# Allegro board FRDM-A-S32K356_PCBLayout.brd (continued)
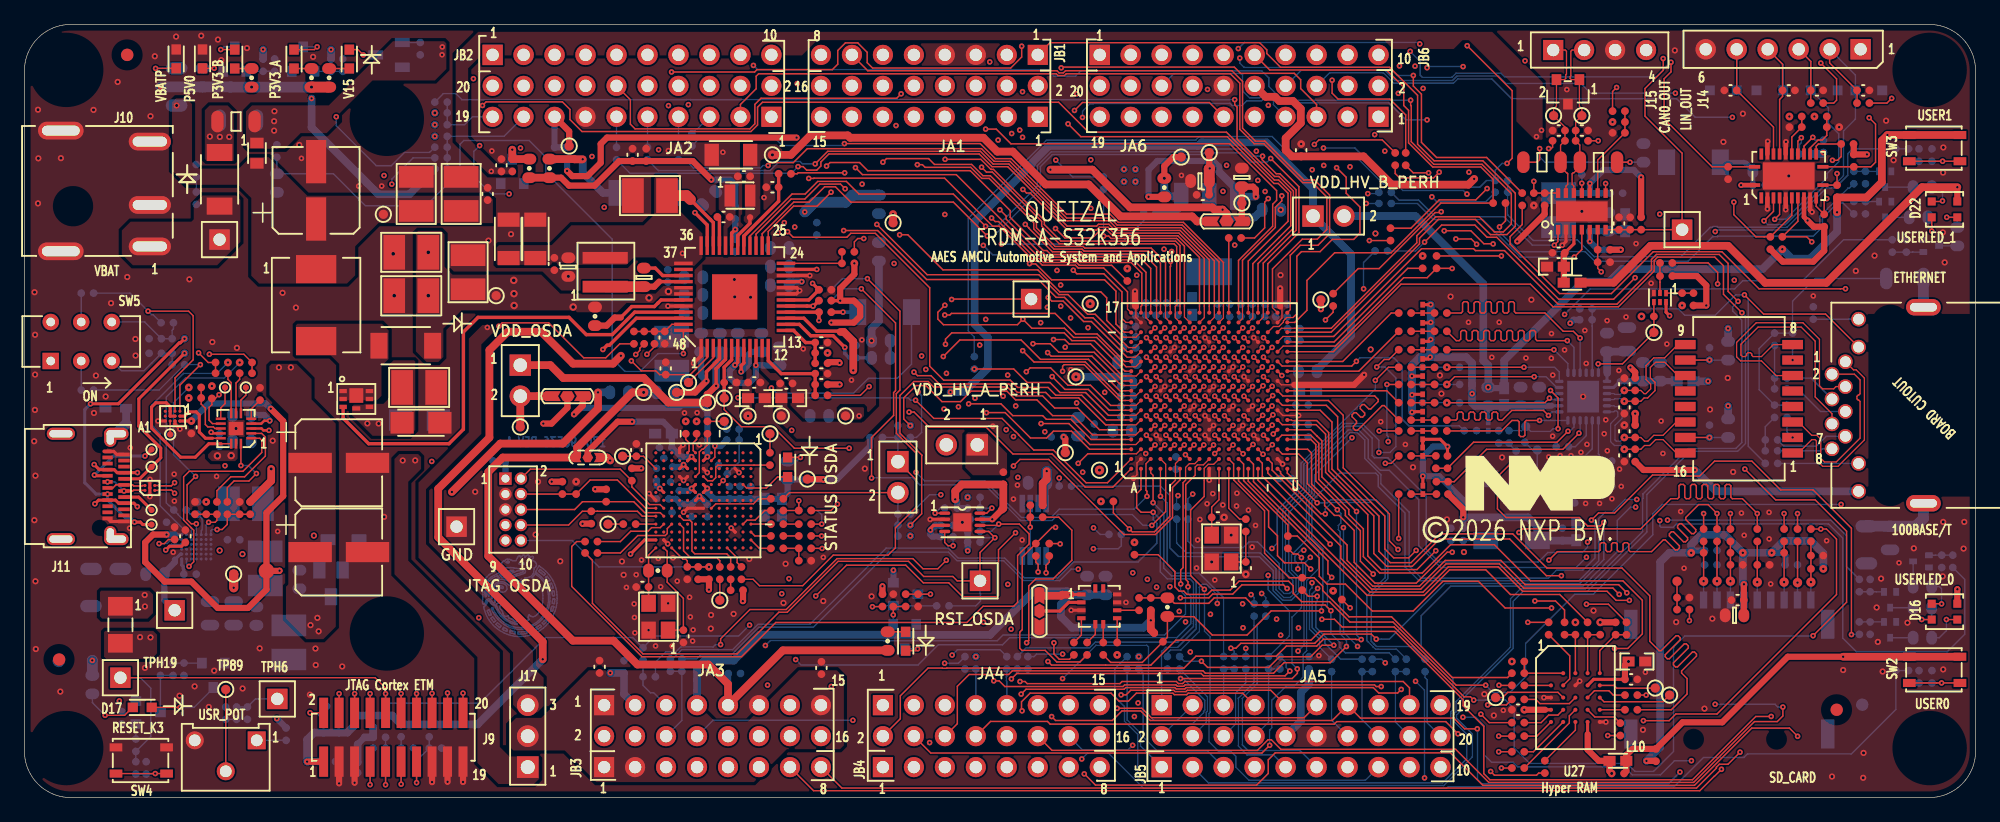
[diagram p0: board, top side]
## Routing (per net, layer and track width the routed paths; a pad name or vN(x,y) marks a point on that pad's centre or on a via; arc(x,y) is an arc through that point) (continued)
PTF0: length 57.9
  TOP w0.102: U2.A6 90.3,30.98
  TOP w0.118: v1(62.58,46.42) 63.04,45.96 67.44,45.96 67.77,46.29 69.77,46.29 74.23,41.82 74.23,35.39 75.38,34.24 80.84,34.24 81.44,33.65 83.93,33.65 84.57,33.01 86.7,33.01 88.73,30.98 90.3,30.98
  L3_INT_1 w0.127: v1(62.58,46.42) 62.73,46.57 62.73,47.39 62.49,47.63 58.41,47.63 58.38,47.66 58.27,47.66 53.73,52.19 53.73,53.51 52.11,55.13 52.11,57.37 JA2.10
PTF1: length 72.2
  TOP w0.102: U2.B6 91.15,30.57 90.3,30.57
  TOP w0.118: JA2.12 49.69,57.25 49.69,55.24 50.07,54.86 59.49,54.86 59.9,55.27 59.9,56.86 60.4,57.36 71.53,57.36 v1(71.89,57.73) ; v1(72.94,34.9) 73.24,34.61 74.34,34.61 75.02,33.93 80.73,33.93 81.42,33.24 83.74,33.24 84.19,32.79 86.45,32.79 88.66,30.57 90.3,30.57
  L3_INT_1 w0.127: v1(72.94,34.9) 72.94,36.2 73.25,36.5 73.25,50.07 71.89,51.42 71.89,57.17 71.89,57.17 v1(71.89,57.73)
PTF2: length 72.1
  TOP w0.127: U2.C6 v1(92,31.33)
  L3_INT_1 w0.127: v1(40.68,53.28) 43.35,53.28 44.65,54.58 44.65,57.02 JA2.14
  L4_INT_2 w0.102: v1(92,31.33) 90.3,31.33
  L4_INT_2 w0.127: v1(40.68,53.28) 40.04,52.65 40.04,51.69 48.37,43.36 54.03,43.36 65.19,32.2 73.73,32.2 74.54,31.39 77.39,31.39 77.95,31.94 80.05,31.94 80.67,31.33 90.3,31.33
PTF3: length 84.6
  TOP w0.127: U2.D6 v1(92.8,31.33)
  L4_INT_2 w0.102: v1(92.8,31.33) 92.68,31.33 92.19,30.84 91.2,30.84 91.02,31.02 90.3,31.02
  L4_INT_2 w0.127: 90.3,31.02 72.67,31.02 72.48,30.84 66.23,30.84 53.97,43.09 47.89,43.09 39.63,51.35 39.63,58.96 39.07,59.52 37.63,59.52 36.8,60.35 36.8,61.49 37.62,62.31 41.69,62.31 42.25,61.74 42.25,59.6 JA2.16
PTF4: length 45.6
  TOP w0.127: U2.C7 v1(92.71,32.13)
  L3_INT_1 w0.127: v1(81.28,32.13) 80.9,32.51 80.9,33.2 80.21,33.89 80.21,42.72 81.65,44.16 81.65,47.19 81.92,47.46 82.47,47.46 84.04,45.89 84.67,45.89 85.27,46.48 85.27,52.33 84.52,53.08 84.52,56.37 83.1,57.79 JA1.2
  L4_INT_2 w0.102: v1(92.71,32.13) 90.46,32.13 90.3,31.97
  L4_INT_2 w0.127: 90.3,31.97 90.29,31.95 81.88,31.95 81.7,32.13 v1(81.28,32.13)
PTF5: length 40.1
  TOP w0.127: U2.C8 v1(92,32.93)
  L3_INT_1 w0.127: JA1.4 80.56,58.08 81.83,56.81 81.83,55.53 82.55,54.81 82.55,48.84 80.95,47.24 80.95,44.74 79.7,43.49 79.7,38.3 79.72,38.28 79.72,33.46 v1(80.25,32.93)
  L4_INT_2 w0.102: 90.3,32.93 v1(92,32.93)
  L4_INT_2 w0.127: v1(80.25,32.93) 80.67,32.93 80.76,33.02 87.69,33.02 87.85,32.86 90.24,32.86 90.3,32.93
PTF6: length 43.9
  TOP w0.127: U2.D7 v1(93.51,32.13)
  L3_INT_1 w0.127: JA1.6 79.01,57.38 79.01,55.28 79.4,54.89 79.4,48.94 77.53,47.06 77.53,33.2 77.95,32.78 v1(77.95,32.77)
  L4_INT_2 w0.102: 90.3,31.64 91.74,31.64 91.82,31.72 93.1,31.72 v1(93.51,32.13)
  L4_INT_2 w0.127: v1(77.95,32.77) 78.54,32.18 80.18,32.18 80.72,31.64 90.3,31.64
PTF7: length 45.7
  TOP w0.127: U2.C9 v1(92.71,33.73)
  L3_INT_1 w0.127: JA1.8 77.03,56.83 77.03,48.16 76.39,47.53 76.39,39.25 76.92,38.72 76.92,33.86 76.74,33.67 76.74,32.62 76.59,32.48 v1(76.59,32.06)
  L4_INT_2 w0.102: v1(92.71,33.73) 92.38,33.4 90.3,33.4
  L4_INT_2 w0.127: v1(76.59,32.06) 76.59,32.87 77.36,33.64 78.31,33.64 78.48,33.47 79.88,33.47 79.88,33.48 81.94,33.48 88.22,33.48 88.41,33.66 89.89,33.66 90.15,33.4 90.3,33.4
PTF8: length 45
  TOP w0.127: U2.D10 v1(92.8,34.53)
  L3_INT_1 w0.127: v1(73.91,35.12) 74.27,35.48 74.27,39.28 73.93,39.63 73.93,56.25 73.91,56.27 73.91,57.41 JA1.10
  L4_INT_2 w0.102: v1(92.8,34.53) 92.54,34.53 91.91,33.9 90.3,33.9
  L4_INT_2 w0.127: 90.3,33.9 90.07,34.13 81.74,34.13 80.8,35.08 80.16,35.08 79.54,34.45 77.3,34.45 76.28,35.47 74.91,35.47 74.79,35.59 74.38,35.59 v1(73.91,35.12)
PTF9: length 38.3
  TOP w0.102: U2.B15 91.14,37.76 90.3,37.76
  TOP w0.118: v1(71.77,46.17) 72.44,46.17 75.32,43.29 83.1,43.29 84.9,41.49 88.26,41.49 88.75,41 88.75,39.15 90.13,37.76 90.3,37.76
  L3_INT_1 w0.127: JA1.12 70.4,58.06 69.27,56.93 69.27,53.83 69.76,53.34 69.76,48.12 71.71,46.17 v1(71.77,46.17)
PTF10: length 82.6
  TOP w0.102: U2.B17 91.56,40.29
  TOP w0.118: 91.56,40.29 91.62,40.36 91.62,43.02 90.75,43.89 86.58,43.89 86.36,44.11 83.65,44.11 83.33,44.43 83.08,44.43 76.41,51.1 68.72,51.1 v1(68.15,51.68)
  L3_INT_1 w0.127: JB4.1 68.8,4.1 68.8,16.84 70.2,18.23 70.2,28.41 71.25,29.47 71.25,42.32 67.97,45.61 67.97,48.32 68.15,48.5 v1(68.15,51.68)
PTF11: length 73.3
  TOP w0.127: U2.H11 v1(96.71,35.33)
  L3_INT_1 w0.127: v1(71.31,43.81) 71.73,43.4 71.73,29.15 70.64,28.06 70.64,18.06 70.99,17.71 70.99,16.85 70.6,16.46 70.6,13.89 71.58,12.91 71.58,3.98 72.94,2.63 JB4.2
  L4_INT_2 w0.102: 90.3,38.01 90.43,38.01 90.62,38.2 92,38.2 92.33,37.86 92.33,37.59 92.58,37.35 94.51,37.35 94.69,37.17 94.69,36.88 94.97,36.6 95.27,36.6 95.58,36.29 95.58,36.01 95.88,35.71 96.33,35.71 v1(96.71,35.33)
  L4_INT_2 w0.127: v1(71.31,43.81) 73.57,43.81 75.49,41.89 78.28,41.89 80.54,39.63 82.25,39.63 82.26,39.65 84.13,39.65 84.31,39.47 84.32,39.47 84.67,39.12 85.42,39.12 85.61,38.93 86.43,38.93 86.47,38.89 86.96,38.89 87.04,38.97 87.44,38.97 88.16,38.25 88.17,38.25 88.41,38.01 90.3,38.01
PTF12: length 98.7
  TOP w0.127: U2.E15 v1(94.31,38.53)
  L3_INT_1 w0.102: v1(94.31,38.53) 94.31,40.29
  L3_INT_1 w0.127: v1(68.69,50.32) 68.69,47.11 72.2,43.6 72.2,33.76 71.97,33.53 71.97,29.79 72.44,29.32 72.44,24.26 71.21,23.02 71.21,19.76 72.1,18.87 72.1,11.43 73.89,9.63 73.89,4.83 73.77,4.71 73.77,3.19 74.46,2.5 JB4.3 ; v1(98.28,49.73) 97.88,50.13 97.25,50.13 94.62,47.5 94.62,44.19 94.31,43.87 94.31,40.29
  L4_INT_2 w0.127: v1(68.69,50.32) 69.11,50.32 69.2,50.41 76.05,50.41 76.82,51.18 80.04,51.18 80.71,51.85 84.27,51.85 84.63,51.49 87.55,51.49 88.17,52.11 95.02,52.11 97.41,49.73 v1(98.28,49.73)
PTF13: length 62.8
  TOP w0.127: U2.E14 v1(93.6,37.73)
  L3_INT_1 w0.102: 90.3,27.87 90.33,27.85 90.33,26.17 90.3,26.15
  L3_INT_1 w0.127: 90.3,26.15 90.29,26.13 90.29,25.93 90.33,25.88 90.33,22.68 89.96,22.3 89.96,18.64 91.53,17.07 91.53,13.8 92.32,13.01 92.32,11.39 91.08,10.15 91.08,8.61 90.34,7.87 90.34,5.46 90.12,5.25 90.12,2.74 88.74,1.35 79.17,1.35 JB4.4 ; 90.3,27.87 87.25,30.93 87.25,36.51 85.79,37.97 v1(85.79,39.34)
  L4_INT_2 w0.102: v1(93.6,37.73) 93.13,38.2 92.57,38.2 92.33,38.44 90.3,38.44
  L4_INT_2 w0.127: v1(85.79,39.34) 88.04,39.34 88.65,38.73 88.65,38.63 88.85,38.44 90.3,38.44
PTF14: length 95.4
  TOP w0.127: U2.F15 v1(95.11,38.53)
  L3_INT_1 w0.102: 95.11,40.29 v1(95.11,38.53)
  L3_INT_1 w0.127: JB4.5 80.56,3.52 79.3,4.77 79.3,8.51 80.2,9.41 80.2,18.04 78.52,19.72 78.52,22.78 76.93,24.37 76.93,25.13 79.31,27.52 79.31,29.28 78.47,30.13 78.47,33 78.43,33.03 78.43,35.42 77.75,36.1 77.75,46.97 79.84,49.05 v1(79.84,53.94) ; v1(101.02,53.03) 101.02,52.61 101.01,52.59 101.01,51.6 99.65,50.25 99.65,48.56 95.11,44.02 95.11,40.29
  L4_INT_2 w0.127: v1(101.02,53.03) 100.6,53.03 100.55,53.07 100.54,53.07 100.47,53.14 100.29,53.14 99.73,53.7 83.65,53.7 83.44,53.48 80.3,53.48 v1(79.84,53.94)
PTF15: length 53.6
  TOP w0.127: U2.F14 v1(94.4,37.73)
  L3_INT_1 w0.127: JB4.6 83.1,3.02 84.76,4.69 84.76,7.05 84.65,7.17 84.65,12.18 85.83,13.36 85.83,14.5 85.07,15.25 85.07,19.44 85.95,20.32 85.95,27.89 84.72,29.12 84.72,30.43 84.54,30.6 84.54,32.7 83.17,34.08 83.17,34.08 83.08,34.17 83.08,36.27 83.73,36.92 83.73,37.91 83.88,38.06 v1(83.88,40.22)
  L4_INT_2 w0.102: v1(94.4,37.73) 94.4,37.77 93.98,38.2 93.98,38.71 93.73,38.95 90.3,38.95
  L4_INT_2 w0.127: v1(83.88,40.22) 84.4,39.7 85.55,39.7 85.61,39.76 85.96,39.76 86.03,39.7 86.75,39.7 86.86,39.59 89.67,39.59 90.3,38.95
PTF16: length 56.4
  TOP w0.127: U2.G15 v1(95.91,38.53)
  L3_INT_1 w0.127: v1(84.97,42.05) 84.47,41.55 84.47,38.28 83.97,37.78 83.97,37.22 84.38,36.8 84.38,36.01 83.63,35.26 83.63,34.27 85,32.89 85,30.86 87.43,28.43 87.43,22.85 87.24,22.66 87.24,19.66 87.39,19.51 87.39,12.79 87.24,12.63 87.24,12.2 86.73,11.69 86.73,4.7 85.64,3.61 JB4.7
  L4_INT_2 w0.102: 95.12,40.29 95.91,39.51 v1(95.91,38.53)
  L4_INT_2 w0.127: v1(84.97,42.05) 86.75,42.05 86.86,41.94 93.48,41.94 95.12,40.29
PTF17: length 54.9
  TOP w0.127: U2.G14 v1(95.2,37.73)
  L3_INT_1 w0.127: v1(84.98,40.31) 84.98,38.46 86.95,36.49 86.95,30.91 90.1,27.75 90.1,26.27 90.06,26.23 90.06,25.83 90.1,25.79 90.1,22.77 89.73,22.4 89.73,18.54 91.3,16.98 91.3,13.7 91.96,13.04 91.96,11.44 90.85,10.33 90.85,8.71 90.09,7.95 90.09,5.7 89.66,5.28 89.66,4 88.18,2.51 JB4.8
  L4_INT_2 w0.102: 90.3,39.42 94.34,39.42 94.69,39.07 94.69,38.24 v1(95.2,37.73)
  L4_INT_2 w0.127: v1(84.98,40.31) 86.57,40.31 87.01,39.87 89.86,39.87 90.3,39.42
PTF18: length 37.4
  TOP w0.127: U2.H14 v1(96,37.73)
  L3_INT_1 w0.102: 96.3,40.29 96.3,38.02 96.01,37.73 v1(96,37.73)
  L3_INT_1 w0.127: 96.3,40.29 96.3,43.97 100.49,48.16 100.49,49.39 101.29,50.19 101.62,50.19 103.27,51.84 103.27,53.99 103.29,54 103.29,54.18 102.66,54.81 102.66,57.3 102.18,57.78 102.18,61.14 103.28,62.24 109.72,62.24 JB6.10
PTF19: length 38.1
  TOP w0.127: U2.J11 v1(97.51,35.33)
  L3_INT_1 w0.102: v1(97.51,35.33) 97.18,35.66 97.18,36.92 96.79,37.31 95.72,37.31 95.53,37.49 95.53,40.26 95.57,40.29
  L3_INT_1 w0.127: JB6.9 108.75,60.92 109.98,59.69 109.98,53.03 v1(108.69,51.74) ; 95.57,40.29 95.57,43.98 99.93,48.34 99.93,49.42 v1(101.14,50.63)
  L4_INT_2 w0.127: v1(108.69,51.74) 107.95,51 101.51,51 v1(101.14,50.63)
PTF20: length 29
  TOP w0.127: U2.J15 v1(97.51,38.53)
  L3_INT_1 w0.102: v1(97.51,38.53) 97.51,40.29
  L3_INT_1 w0.127: JB6.8 104.64,59.61 103.12,59.61 102.5,58.98 102.5,58.03 104.56,55.97 104.56,54.95 103.5,53.89 103.5,51.75 102.36,50.6 102.36,47.8 97.51,42.95 97.51,40.29
PTF21: length 41.2
  TOP w0.118: R798.2 111.34,53.95 106.15,53.95 v1(105.77,53.58)
  TOP w0.127: U2.K14 v1(97.6,37.73)
  L3_INT_1 w0.102: 97.94,40.29 97.89,40.24 97.89,38.37 97.89,38.37 97.89,38.02 v1(97.6,37.73)
  L3_INT_1 w0.127: 97.94,40.29 97.94,43.07 102.64,47.76 102.64,50.44 v1(105.77,53.58) 104.9,54.45 104.9,59.14 105.32,59.56 106.63,59.56 107.03,59.95 107.03,61.55 106.57,62 104.49,62 JB6.7
PTF22: length 50.5
  TOP w0.102: 104.13,38.98 U2.U16
  TOP w0.118: 104.13,38.98 104.17,38.98 105.16,39.97 105.16,42.42 107.44,44.69 112.07,44.69 116.15,48.77 R797.2 120.43,50.72 119.43,51.73 115.48,51.73 113.5,53.71 113.5,56.37 113.1,56.77 113.1,58.27 111.69,59.68 102.11,59.68 JB6.6
PTF23: length 47.3
  TOP w0.118: v1(107.23,58.84) 107.23,57.78 107.72,57.3 111.97,57.3 113.26,56 R796.2
  TOP w0.127: U2.M14 v1(99.2,37.73)
  L3_INT_1 w0.102: v1(99.2,37.73) 99.2,40.29
  L3_INT_1 w0.127: v1(107.23,58.84) 107.23,57.98 107.01,57.76 107.01,47.06 106.3,46.35 103.45,46.35 99.2,42.1 99.2,40.29
  L5_PWR_1 w0.127: JB6.5 99.59,59.66 106.44,59.66 107.23,58.88 v1(107.23,58.84)
PTF24: length 49.8
  TOP w0.127: U2.M12 v1(99.2,36.13)
  L3_INT_1 w0.102: 99.45,40.29 99.45,38.23 99.62,38.06 99.62,37.31 99.2,36.9 v1(99.2,36.13)
  L3_INT_1 w0.127: v1(112.66,57.77) 112.66,54.91 109.47,51.72 109.47,47.31 108.28,46.12 103.64,46.12 99.45,41.93 99.45,40.29
  L4_INT_2 w0.127: JB6.4 96.62,60.1 97.39,60.1 97.39,60.1 111.67,60.1 112.96,58.82 112.96,58.07 v1(112.66,57.77)
PTF25: length 53.5
  TOP w0.127: U2.P12 v1(100.8,36.13)
  L3_INT_1 w0.102: v1(100.8,36.13) 100.8,36.99 101.22,37.41 101.22,37.91 103.61,40.29
  L3_INT_1 w0.127: 103.61,40.29 104.33,41.02 108.25,41.02 112.96,45.72 112.96,57.48 113.24,57.76 113.24,59.53 v1(112.75,60.02)
  L4_INT_2 w0.127: JB6.3 94.26,61.93 112.16,61.93 112.75,61.34 v1(112.75,60.02)
PTF26: length 58.2
  TOP w0.127: U2.R12 v1(101.6,36.13)
  L3_INT_1 w0.102: 104.13,36.57 102.05,36.57 101.61,36.13 v1(101.6,36.13)
  L3_INT_1 w0.127: v1(114.69,58.17) 114.03,57.51 114.03,56.46 113.74,56.17 113.74,43.59 107.52,37.37 105.17,37.37 104.38,36.57 104.13,36.57
  L4_INT_2 w0.127: v1(114.69,58.17) 114.07,58.17 113.29,58.96 113.29,61.34 112.47,62.15 91.95,62.15 JB6.2
PTF27: length 60.2
  TOP w0.127: U2.P13 v1(101.51,36.93)
  L3_INT_1 w0.102: 104.13,39.6 101.79,37.27 101.79,37.22 v1(101.51,36.93)
  L3_INT_1 w0.127: v1(114.03,60) 113.49,59.46 113.49,57.68 113.25,57.44 113.25,43.6 110.26,40.61 105.14,40.61 104.13,39.6
  L4_INT_2 w0.127: JB6.1 89.71,62.46 113.1,62.46 114.03,61.54 v1(114.03,60)
PTF28: length 65.4
  TOP w0.127: U2.L10 v1(98.4,34.53)
  L3_INT_1 w0.102: 98.91,40.29 98.91,37.99 98.81,37.89 98.81,35.61 98.7,35.5 98.7,34.89 98.69,34.88 98.69,34.82 v1(98.4,34.53)
  L3_INT_1 w0.127: JB1.6 71.43,59.89 71.43,55.59 71.47,55.54 v1(71.47,55.13) ; v1(106.54,51.85) 106.54,49.77 98.91,42.14 98.91,40.29
  L4_INT_2 w0.127: v1(71.47,55.13) 71.47,54.71 73.69,52.49 75.14,52.49 75.98,53.33 79.62,53.33 79.78,53.18 83.46,53.18 83.7,53.42 99.33,53.42 100.7,52.05 104.62,52.05 105.13,52.56 105.83,52.56 v1(106.54,51.85)
PTF29: length 115.9
  TOP w0.127: U2.K4 v1(97.6,29.73)
  L3_INT_1 w0.102: v1(97.6,29.73) 97.6,29.49 98.28,28.81 98.28,27.53 99.77,26.04
  L3_INT_1 w0.127: 99.77,26.04 102.97,22.84 102.97,14.94 v1(102.68,14.64) ; v1(78.65,14.38) 78.65,14.38 78.65,15.83 75.07,19.41 75.07,22.43 75.43,22.79 75.43,23.6 74.36,24.66 74.36,30 75.94,31.58 75.94,32.64 75.31,33.27 75.31,34.5 v1(75.61,34.8)
  L4_INT_2 w0.127: v1(78.65,14.38) 90.32,14.38 91.43,13.27 101.31,13.27 v1(102.68,14.64) ; JA2.18 40.93,57.81 41.89,56.85 41.89,51.22 49.21,43.89 54.21,43.89 62.6,35.5 62.6,35.47 64.82,33.25 71.18,33.25 72.03,34.1 74.91,34.1 v1(75.61,34.8)
PTF30: length 98.4
  TOP w0.127: U2.K3 v1(97.6,28.22)
  L3_INT_1 w0.102: 96.37,26.04 96.37,26.99 v1(97.6,28.22)
  L3_INT_1 w0.127: v1(97.25,15.04) 96.41,15.88 96.41,17.9 95.61,18.7 95.61,22.82 96.37,23.57 96.37,24.34 96.84,24.8 96.84,25.57 96.37,26.04
  L4_INT_2 w0.127: JA2.20 38.39,57.68 39.2,56.87 39.2,50.93 47.3,42.83 53.9,42.83 65.8,30.94 65.8,28.28 70.39,23.68 75.16,23.68 78.94,19.9 93.42,19.9 95.97,17.35 95.97,16.32 v1(97.25,15.04)
PTG0: length 100.2
  TOP w0.102: U2.J2 96.67,27.29 96.18,27.29 96,27.12 96,26.45 95.59,26.04
  TOP w0.118: v1(95.41,17.3) 95.41,17.71 95.23,17.89 95.23,25.68 95.59,26.04
  L3_INT_1 w0.127: v1(63.24,11.32) 63.24,16.18 66.11,19.04 66.11,29.7 65.38,30.43 65.38,37.3 65.75,37.67 65.75,40.88 66.78,41.91 66.78,45.63 65.75,46.66 65.75,48.25 62.51,51.48 62.51,57.13 JA2.2
  BOTTOM w0.118: v1(63.24,11.32) 63.69,10.88 73.28,10.88 74.94,12.53 80.2,12.53 80.78,13.12 94.5,13.12 95.64,14.26 95.64,16.52 95.41,16.75 v1(95.41,17.3)
PTG1: length 101.6
  TOP w0.102: 95.21,26.04 95.21,27.08 95.52,27.39 95.97,27.39 U2.H2
  TOP w0.118: v1(94.81,17.52) 94.81,18.67 95.01,18.87 95.01,25.83 95.21,26.04
  L3_INT_1 w0.127: v1(60.76,12.48) 62.8,14.52 62.8,16.35 64.96,18.51 64.96,37.29 64.11,38.13 64.11,40.42 66.55,42.85 66.55,45.54 65.52,46.57 65.52,47.92 59.55,53.89 59.55,57.54 JA2.4
  BOTTOM w0.118: v1(94.81,17.52) 94.81,16.95 95.2,16.56 95.2,15.05 93.49,13.34 80.25,13.34 79.78,12.87 70.48,12.87 70.47,12.88 61.17,12.88 v1(60.76,12.48)
PTG2: length 38.7
  TOP w0.127: U2.J3 v1(97.51,28.93)
  L3_INT_1 w0.102: 98.03,26.04 98.03,28.41 v1(97.51,28.93)
  L3_INT_1 w0.127: JB5.7 107.37,1.38 100.53,1.38 99.47,2.44 99.47,15.4 96.91,17.96 96.91,23.44 97.4,23.93 97.4,23.93 98.03,24.56 98.03,26.04
PTG3: length 41.3
  TOP w0.102: 96.74,26.04 96.74,27.01 97.07,27.34 97.52,27.34 U2.K2
  TOP w0.118: v1(96.76,17.08) 95.63,18.21 95.63,23.59 96.74,24.7 96.74,26.04
  BOTTOM w0.118: v1(96.76,17.08) 96.76,13.66 97.22,13.19 97.22,6.99 97.13,6.9 97.13,4.58 97.92,3.8 98.92,3.8 99.34,3.38 99.34,2.51 100.42,1.42 109.96,1.42 JB5.8
PTG4: length 41.1
  TOP w0.127: U2.G4 v1(95.2,29.73)
  L3_INT_1 w0.127: JB5.9 112.73,2.5 111.72,3.51 108.46,3.51 107.45,4.51 107.45,8.09 106.53,9.02 103.41,9.02 101.21,11.22 101.21,12.65 v1(99.93,13.93)
  L4_INT_2 w0.102: v1(95.2,29.73) 95.2,29.49 94.73,29.01 94.73,28.44 94.18,27.9 94.18,27.74 94.18,27.74 94.18,26.04
  L4_INT_2 w0.127: 94.18,26.04 94.18,24.95 94.17,24.95 94.17,19.61 96.2,17.58 96.2,16.56 97.26,15.51 97.93,15.51 99.51,13.93 v1(99.93,13.93)
PTG5: length 43.6
  TOP w0.127: U2.H4 v1(96,29.73)
  L3_INT_1 w0.127: v1(99.89,15.9) 100.3,15.49 100.3,14.43 101.86,12.87 101.86,11.21 103.64,9.43 108.3,9.43 109.73,8 109.73,4.11 110.02,3.83 111.87,3.83 112.2,3.51 114.18,3.51 115.19,2.5 JB5.10
  L4_INT_2 w0.102: 95.06,26.04 95.06,27.49 96.27,28.7 96.27,29.46 v1(96,29.73)
  L4_INT_2 w0.127: 95.06,26.04 95.06,19.04 96.68,17.43 98.36,17.43 v1(99.89,15.9)
PTG8: length 70.4
  TOP w0.127: U2.F4 v1(94.4,29.73)
  L3_INT_1 w0.127: JA6.14 94.52,59.66 93.23,59.66 90.96,61.93 87.05,61.93 85.81,60.69 85.81,56.67 85.31,56.17 85.31,55.6 85.16,55.44 85.16,53.28 85.84,52.59 85.84,46.39 81.02,41.57 81.02,34.86 81.05,34.83 81.05,33.94 81.57,33.42 81.57,33.41 81.93,33.05 81.93,28.21 81.82,28.09 81.82,26.62 v1(81.46,26.27)
  L4_INT_2 w0.102: v1(94.4,29.73) 94.34,29.73 93.87,29.26 93.37,29.26 93.18,29.06 93.18,27.73 92.18,26.73 92.18,26.04
  L4_INT_2 w0.127: 92.18,26.04 92.18,25.91 91.23,24.96 91.23,23.84 88.73,21.33 86.39,21.33 v1(81.46,26.27)
PTG9: length 204.3
  TOP w0.127: U2.G2 v1(95.2,28.13)
  L3_INT_1 w0.102: v1(95.2,28.13) 94.76,27.68 94.76,26.04
  L3_INT_1 w0.127: 94.76,26.04 94.76,25.87 94.93,25.7 94.93,24.92 94.94,24.91 94.94,24.63 94.93,24.62 94.93,23.79 93.28,22.15 93.28,15.13 93.62,14.79 93.62,10.95 91.91,9.24 91.91,6.71 90.35,5.15 90.35,2.79 91.62,1.52 92.48,1.52 92.85,1.15 113.73,1.15 114.64,2.06 115.1,2.06 116,1.16 144.99,1.16 145.01,1.17 145.31,1.17 146.47,2.34 146.47,12.28 150.26,16.07 150.26,22.09 146.66,25.7 146.66,39.34 148.33,41.01 148.33,46.16 149.47,47.3 149.47,49.68 146.12,53.03 146.12,54.5 145.25,55.37 143.31,55.37 141.73,56.94 139.18,56.94 137.23,58.9 129.33,58.9 129.16,58.73 121.37,58.73 120.83,59.27 117.35,59.27 115.01,56.93 v1(115.01,55.59)
  BOTTOM w0.118: v1(115.01,55.59) 113.27,55.59 111.88,56.98 103.07,56.98 102.47,57.59 101.48,57.59 101.28,57.4 100.47,57.4 99.89,57.97 99.89,59.28 99.77,59.39 94.27,59.39 JA6.16
PTG10: length 51.4
  TOP w0.102: U2.A1 90.3,26.52
  TOP w0.118: 90.3,26.52 89.25,25.47 86.98,25.47 84.27,28.19 81.06,28.19 78.87,30.38 74.2,30.38 72.96,31.62 v1(72.54,31.62)
  L3_INT_1 w0.127: v1(72.54,31.62) 72.24,31.92 72.24,31.94 72.2,31.99 72.2,33.44 72.43,33.67 72.43,36.33 72.71,36.61 72.71,43.49 69.17,47.02 69.17,52.86 66.78,55.25 66.78,57.31 JA1.14
PTG11: length 39.9
  TOP w0.102: U2.A17 90.45,40.08 90.45,40.29
  TOP w0.118: 90.45,40.29 90.45,41.49 88.5,43.44 86.41,43.44 86.18,43.67 83.47,43.67 83.15,43.99 82.81,43.99 79.94,46.87 79.4,46.87 75.45,50.81 64.75,50.81 64.73,50.79 v1(64.31,50.79)
  L3_INT_1 w0.127: v1(64.31,50.79) 64.31,57.38 JA1.16
PTG12: length 58.3
  TOP w0.102: 103.8,40.29 103.8,40.02 U2.U17
  TOP w0.118: 103.8,40.29 103.8,44.48 104.62,45.3 106.07,45.3 107.02,46.26 107.02,49.43 105.78,50.67 104.91,50.67 101.72,53.85 100.94,53.85 99.88,54.9 99.88,58.75 99.01,59.62 85.37,59.62 85.19,59.45 84.85,59.45 84.67,59.62 69.15,59.62 JB1.7
PTG13: length 102.2
  TOP w0.127: U2.G3 v1(95.91,28.93)
  L3_INT_1 w0.102: v1(95.91,28.93) 95.91,28.03 95.1,27.22 95.1,26.07 95.13,26.04
  L3_INT_1 w0.127: 95.13,26.04 95.13,25.94 95.16,25.92 95.16,25.91 95.17,25.91 95.17,23.71 93.51,22.05 93.51,15.65 94.74,14.42 v1(95.21,14.42) ; v1(62.1,16.73) 62.71,16.73 64.66,18.68 64.66,37.23 63.88,38.01 63.88,40.51 66.32,42.95 66.32,45.44 65.29,46.47 65.29,47.83 62.5,50.62 61.19,50.62 57.13,54.68 57.13,57.43 JA2.6
  L4_INT_2 w0.127: v1(95.21,14.42) 94.52,13.73 91.84,13.73 90.66,14.91 79.79,14.91 79.43,15.27 74.21,15.27 71.42,18.06 64.58,18.06 63.24,16.73 v1(62.1,16.73)
PTG14: length 101.2
  TOP w0.127: U2.H3 v1(96.71,28.93)
  L3_INT_1 w0.102: 95.64,26.04 95.59,26.09 95.59,26.93 96.71,28.04 v1(96.71,28.93)
  L3_INT_1 w0.127: JA2.8 55.1,56.91 55.1,53.9 56.99,52.01 59.21,52.01 60.92,50.3 62.36,50.3 65.06,47.6 65.06,46.38 65.92,45.52 65.92,42.99 63.63,40.7 63.63,37.88 64.3,37.22 64.3,19.98 62.69,18.38 v1(62.69,17.96) ; 95.64,26.04 96.33,25.35 96.33,24.94 95.9,24.52 95.9,23.8 94.37,22.27 94.37,15.61 v1(94.7,15.28)
  L4_INT_2 w0.127: v1(94.7,15.28) 94.7,14.44 94.22,13.96 91.94,13.96 90.62,15.28 86.81,15.28 86.21,15.87 76,15.87 75.82,16.05 75.82,16.08 72.69,19.21 63.95,19.21 v1(62.69,17.96)
PTG17: length 92.8
  TOP w0.127: U2.M9 v1(99.91,33.73)
  L3_INT_1 w0.102: v1(99.91,33.73) 101.1,34.92 102.75,34.92 102.86,35.04 104.13,35.04
  L3_INT_1 w0.127: JB1.8 66.91,62.52 99.49,62.52 100.13,61.88 102.3,61.88 102.92,62.5 113.02,62.5 115.77,59.75 115.77,58.33 114.49,57.06 114.49,56.28 114.2,55.98 114.2,51.14 117.98,47.35 117.98,45.27 107.75,35.04 104.13,35.04
PTG18: length 69
  TOP w0.127: U2.M10 v1(99.2,34.53)
  L4_INT_2 w0.102: 98.87,40.29 98.87,36.93 98.87,36.93 98.87,35.66 98.7,35.5 98.7,35.03 v1(99.2,34.53)
  L4_INT_2 w0.127: JB2.10 60.17,62 57.89,62 57.56,61.68 57.56,59.5 57.96,59.1 57.96,52.09 59.79,50.27 61.37,50.27 62.63,49.01 69.5,49.01 69.89,49.39 78.54,49.39 79.42,50.27 88.79,50.27 89.22,49.83 92.12,49.83 98.87,43.07 98.87,40.29
PTG19: length 62.2
  TOP w0.127: U2.M11 v1(99.91,35.33)
  L4_INT_2 w0.102: 99.23,40.29 99.23,38.82 99.57,38.48 99.57,37.34 99.26,37.03 99.26,36.59 99.6,36.26 99.6,35.64 v1(99.91,35.33)
  L4_INT_2 w0.127: JB2.9 58.71,60 59.25,59.47 62.02,59.47 62.89,58.6 62.89,52.88 65.19,50.58 65.19,49.55 65.5,49.24 69.41,49.24 69.79,49.62 78.45,49.62 79.32,50.5 89.18,50.5 89.61,50.06 92.21,50.06 99.23,43.04 99.23,40.29
PTG20: length 62.1
  TOP w0.127: U2.L12 v1(98.4,36.13)
  L4_INT_2 w0.102: 97.93,40.29 97.93,37.09 97.93,37.09 97.93,36.6 v1(98.4,36.13)
  L4_INT_2 w0.127: 97.93,40.29 97.93,42.93 91.32,49.54 81.73,49.54 81.25,50.03 79.5,50.03 78.64,49.17 69.98,49.17 69.6,48.78 62.53,48.78 61.28,50.04 59.67,50.04 57.69,52.01 57.69,58.89 56.9,59.69 56.9,60.19 JB2.8
PTG21: length 63.8
  TOP w0.127: U2.K12 v1(97.6,36.13)
  L4_INT_2 w0.102: v1(97.6,36.13) 97.12,36.61 97.12,37.25 97.27,37.4 97.27,37.86 97.08,38.05 97.08,40.29
  L4_INT_2 w0.127: JB2.7 53.63,59.83 55.05,58.42 55.05,52.93 60.26,47.71 63.3,47.71 63.46,47.54 68.74,47.54 70.13,48.94 78.73,48.94 79.11,49.31 90.57,49.31 96.8,43.08 96.83,43.08 97.08,42.83 97.08,40.29
PTG22: length 63.9
  TOP w0.127: U2.J12 v1(96.8,36.13)
  L4_INT_2 w0.102: 96.19,40.29 96.38,40.11 96.38,36.55 v1(96.8,36.13)
  L4_INT_2 w0.127: JB2.6 52.15,59.86 52.15,54.92 51.58,54.34 51.58,52.15 54.25,49.48 57.52,49.48 61.74,45.25 63.96,45.25 64.03,45.32 73,45.32 75.74,42.57 86.54,42.57 86.83,42.28 94.21,42.28 96.19,40.29
PTG23: length 64
  TOP w0.127: U2.H12 v1(96,36.13)
  L4_INT_2 w0.102: v1(96,36.13) 96,36.15 95.52,36.63 95.52,37.51 95.62,37.6 95.62,38.11 95.5,38.22 95.5,38.71 93.92,40.29
  L4_INT_2 w0.127: JB2.5 48.55,60.66 49.8,59.42 49.8,53.22 54.01,49 57.28,49 61.97,44.32 63.56,44.32 64.3,45.06 72.76,45.06 75.7,42.12 79.24,42.12 79.67,41.69 84.74,41.69 84.8,41.63 85.14,41.63 85.2,41.69 88.27,41.69 88.98,40.97 93.24,40.97 93.92,40.29
PTG24: length 65.6
  TOP w0.127: U2.G12 v1(95.2,36.13)
  L4_INT_2 w0.102: v1(95.2,36.13) 95.15,36.13 94.75,36.53 92.17,36.53 91.37,37.33 90.3,37.33
  L4_INT_2 w0.127: 90.3,37.33 87.71,37.33 86.34,38.7 85.52,38.7 85.32,38.89 84.19,38.89 83.66,39.42 82.66,39.42 81.89,38.66 81.19,38.66 78.18,41.66 75.39,41.66 73.66,43.39 66.71,43.39 65.84,44.27 64.46,44.27 63.56,43.36 60.9,43.36 55.55,48.71 50.97,48.71 47.33,52.35 47.33,59.61 JB2.4
PTG25: length 70.9
  TOP w0.127: U2.F12 v1(94.4,36.13)
  L4_INT_2 w0.102: v1(94.4,36.13) 94.01,35.73 92.57,35.73 92.38,35.54 91.04,35.54 90.3,36.28
  L4_INT_2 w0.127: 90.3,36.28 90,36.58 86.67,36.58 85.19,38.06 82.26,38.06 81.93,37.72 75.94,37.72 74.46,39.2 69.8,39.2 68.58,37.98 64.45,37.98 55.4,47.04 47.92,47.04 46.12,48.84 46.12,52.41 46.12,52.41 46.12,52.76 46.12,52.77 46.12,53.81 47.04,54.73 47.04,59.22 46.64,59.63 44.77,59.63 JB2.3
PTG26: length 70.9
  TOP w0.127: U2.F11 v1(95.11,35.33)
  L4_INT_2 w0.102: 90.3,34.94 94.72,34.94 v1(95.11,35.33)
  L4_INT_2 w0.127: 90.3,34.94 89.31,34.94 88.41,35.84 79.02,35.84 78.33,36.52 74.69,36.52 74.31,36.91 73.23,36.91 72.37,36.04 62.38,36.04 54.26,44.17 49.78,44.17 42.23,51.72 42.23,58.59 40.93,59.89 JB2.2
PTG27: length 73.2
  TOP w0.127: U2.F10 v1(94.4,34.53)
  L4_INT_2 w0.102: v1(94.4,34.53) 94.01,34.13 92.44,34.13 91.97,33.67 90.3,33.67
  L4_INT_2 w0.127: JB2.1 39.86,59.46 39.86,54.87 41.4,53.33 41.4,51.15 48.92,43.62 54.09,43.62 64.92,32.79 71.18,32.79 72.18,33.79 76.28,33.79 76.41,33.93 78.35,33.93 78.51,33.77 88.2,33.77 88.33,33.91 89.97,33.91 90.21,33.67 90.3,33.67 90.3,33.67
PTG29: length 8.9
  TOP w0.127: U2.G5 v1(95.91,30.53)
  L4_INT_2 w0.102: v1(95.91,30.53) 96.21,30.23 97.05,30.23 97.19,30.09 97.19,29.08 97.18,29.06 97.18,28.8 95.8,27.42 95.8,26.04
  L4_INT_2 w0.127: 95.8,26.04 v1(95.8,24.9)
  BOTTOM w0.118: R62.2 95.4,24.5 v1(95.8,24.9)
PTG30: length 8
  TOP w0.127: U2.F5 v1(95.11,30.53)
  L4_INT_2 w0.102: v1(95.11,30.53) 95.11,30.35 95.34,30.11 95.36,30.11 95.58,29.89 95.58,29.07 95.58,29.06 95.58,28.79 95.25,28.46 95.03,28.46 94.59,28.02 94.59,26.04
  L4_INT_2 w0.127: v1(94.59,24.77) 94.59,26.04
  BOTTOM w0.118: v1(94.59,24.77) 94.48,24.66 R61.2
PTG31: length 16.1
  TOP w0.127: U2.E6 v1(93.6,31.33)
  L3_INT_1 w0.127: v1(83.67,30.01) 83.67,28.43 84.85,27.25 v1(84.85,26.22)
  L4_INT_2 w0.102: v1(93.6,31.33) 93.51,31.33 93.09,30.91 92.55,30.91 92.18,30.54 91.05,30.54 90.87,30.72 90.3,30.72
  L4_INT_2 w0.127: 90.3,30.72 84.81,30.72 84.09,30.01 v1(83.67,30.01)
  BOTTOM w0.118: v1(84.85,26.22) 84.85,26.2 84.85,26.2 R59.2
PTH1: length 21.1
  TOP w0.127: U2.E8 v1(93.6,32.93)
  L3_INT_1 w0.102: v1(93.6,32.93) 93.49,32.93 93.12,33.29 90.86,33.29 90.73,33.17 90.73,30.02 91.57,29.18 92.42,29.18 92.55,29.31 92.86,29.31 93.09,29.09 93.09,28.46 92.72,28.09 92.08,28.09 v1(91.95,28.22)